# Altium PCB Kasli-DIOT.PCBDOC (part 13 of 21) (continued)
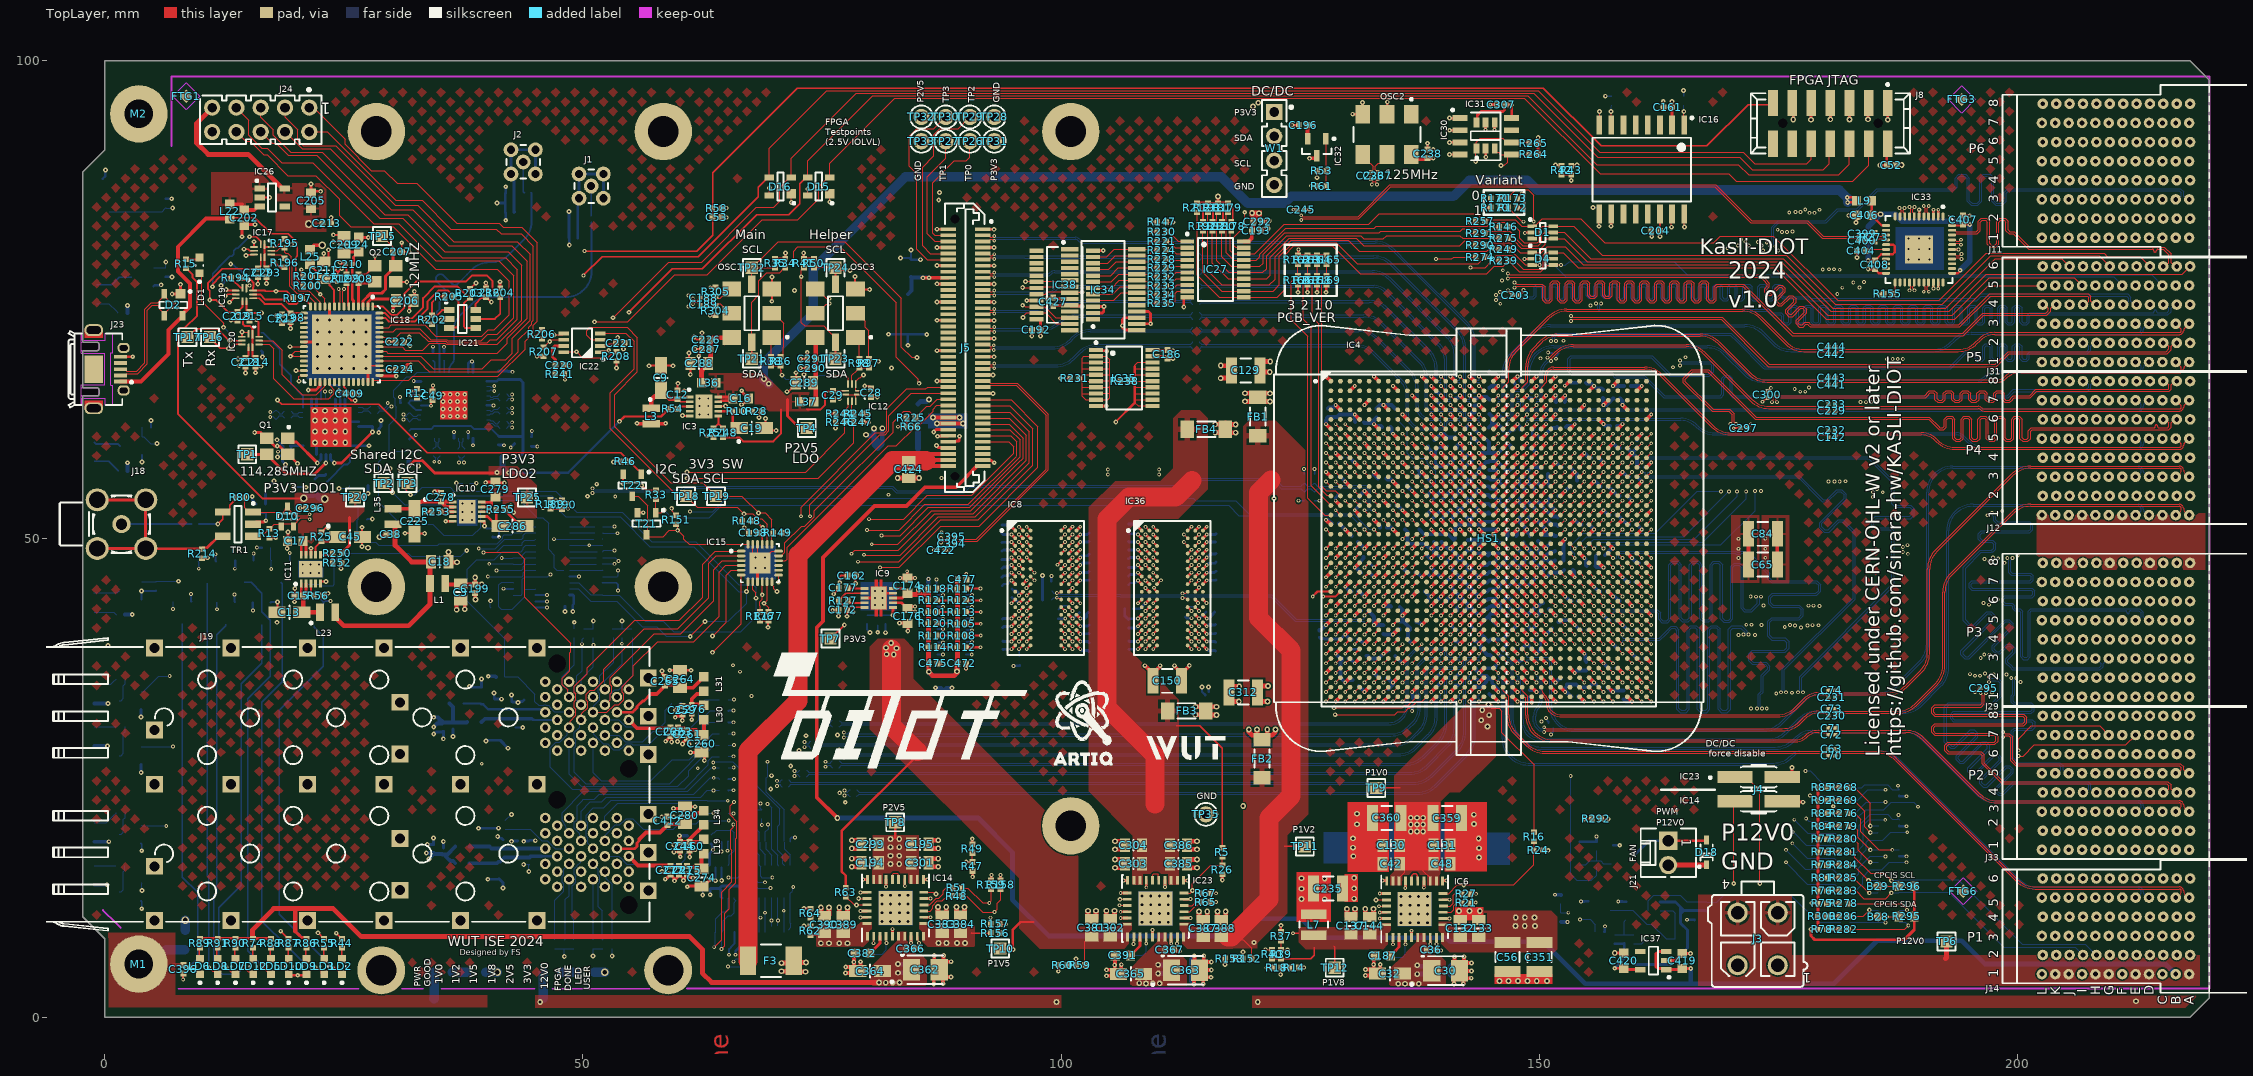
[diagram p0: TopLayer view]
## Nets (pads, with @x,y where several pads share a name; then routed paths per layer and width w, separated by ;. In a path a pad name is that pad's centre, name@x,y a point inside that pad or via, vN(x,y) a via of type N, cw(c..) or ccw(c..) an arc to the next point about the centre after c; other vN are vias at no path point) (continued)
  TopLayer w0.095: v1(140.7,35) IC4.AM14@141.2,35.5
  BottomLayer w0.095: C257.2@76.765,26.096 76.79,26.096 77.023,26.329 135.998,26.329 ccw(c135.998,29.087) 137.949,27.137 139.517,28.705 ccw(c137.565,30.657) 139.519,28.707 ccw(c137.565,30.657) 140.325,30.657 140.325,35.275 140.44,35.389 140.644,35.389 140.7,35.333 v1(140.7,35)
SFP.TX2_P: C256.2 IC4.AL14 | length 72
  TopLayer w0.095: v1(140.7,36) IC4.AL14@141.2,36.5
  BottomLayer w0.095: C256.2@76.79,26.796 77.035,26.551 135.998,26.551 ccw(c135.998,29.088) 137.792,27.294 139.36,28.861 ccw(c137.563,30.657) 139.361,28.863 ccw(c137.563,30.657) 140.103,30.657 140.103,35.367 140.348,35.611 140.644,35.611 140.7,35.667 v1(140.7,36)
SFP.TX3_N: C283.2 IC4.AP13 | length 66.3
  TopLayer w0.095: v1(139.7,33) IC4.AP13@140.2,33.5
  BottomLayer w0.095: C283.2@78.625,27.05 78.65,27.05 78.908,27.308 79.3,27.308 134.767,27.308 135.243,27.308 ccw(c135.243,30.068) 137.195,28.116 138.511,29.432 ccw(c136.56,31.383) 139.319,31.383 139.319,33.319 139.389,33.389 139.644,33.389 139.7,33.333 v1(139.7,33)
SFP.TX3_P: C282.2 IC4.AN13 | length 66.3
  TopLayer w0.095: v1(139.7,34) IC4.AN13@140.2,34.5
  BottomLayer w0.095: C282.2@78.625,27.75 78.65,27.75 78.87,27.53 79.3,27.53 134.675,27.53 135.243,27.53 ccw(c135.243,30.07) 137.039,28.274 138.353,29.588 ccw(c136.557,31.384) 138.355,29.59 ccw(c136.557,31.384) 139.097,31.384 139.097,33.411 139.297,33.611 139.644,33.611 139.7,33.667 v1(139.7,34)
SFP_0.LED: IC25.27 IC29.10 T11.1 | length 49.4
  layer 8 w0.1: v1(6.79,35.67) 22.47,35.67 27.384,40.584 32.713,40.584 35.604,43.475 35.604,45.504 v1(39.1,49)
  BottomLayer w0.1: T11.1@3.8,34.05 4,34.05 5.62,35.67 v1(6.79,35.67)
  BottomLayer w0.125: v1(39.1,49) 40.831,49 41.806,49.975 IC29.10@42.697,49.975 43.6,49.975 43.775,50.15 43.775,50.4 44,50.625 IC25.27@45.047,50.625
SFP_0.LOS: IC25.26 IC29.9 J19.LB8 R138.1 | length 34.8
  TopLayer w0.125: v1(39.6,48.6) 43.2,48.6 43.9,47.9 43.9,43.9 48.7,39.1 48.7,38.2 48.6,38.1 48.6,36.2 47.837,35.438 47.837,34.78 48.405,34.213 48.405,33.62 J19.LB8@48.55,33.475
  BottomLayer w0.125: v1(39.6,48.6) 41,48.6 41.725,49.325 IC29.9@42.697,49.325 43.577,49.325 43.65,49.398 43.65,49.6 43.898,49.848 44.92,49.848 IC25.26@45.047,49.975 ; J19.LB8@48.55,33.47 48.455,33.565 48.455,34.158 47.838,34.775 47.838,35.588 49.086,36.836 R138.1@49.086,39.675
SFP_0.MOD_PRESENT: IC25.25 IC29.8 J19.LB6 R137.1 | length 29.9
  BottomLayer w0.125: IC25.25@45.047,49.325 44,49.325 43.775,49.1 43.775,48.922 43.536,48.683 42.705,48.683 IC29.8@42.697,48.675 41.575,48.675 40.73,47.83 38.88,47.83 37.9,46.85 37.9,43.495 41.84,39.555 R137.1@41.84,35.57 43.18,35.57 44.975,33.775 44.975,33 45.375,32.6 45.893,32.6 ccw(c45.892,32.725) 45.914,32.602 cw(c46.05,31.875) 46.186,32.602 ccw(c46.208,32.725) 46.206,32.6 46.4,32.6 46.588,32.413 46.588,32.375 47.005,31.958 48.463,31.958 J19.LB6@48.55,31.87
SFP_0.RATE_SELECT: IC25.24 IC29.7 J19.LB7 R213.2 | length 25
  Layer 5 w0.125: v1(41.5,48) 43,48 47.1,43.9 47.1,42.2 49.9,39.4 v1(49.9,39)
  BottomLayer w0.125: v1(41.5,48) 42.672,48 IC29.7@42.697,48.025 43.575,48.025 43.7,48.15 43.7,48.375 44.008,48.683 45.039,48.683 IC25.24@45.047,48.675 ; J19.LB7@49.8,32.67 49.263,33.208 49.263,33.8 49.088,33.975 49.088,34.6 49.35,34.862 49.35,35.675 49.9,36.225 v1(49.9,39) 49.9,39.489 R213.2@50.086,39.675
SFP_0.RATE_SELECT1: IC25.23 IC29.6 J19.LB9 R130.2 | length 28.3
  Layer 5 w0.125: v1(40.2,47.4) 40.2,48.2 40.5,48.5 43.7,48.5 50.1,42.1 50.1,40.7 51.086,39.714 v1(51.086,38.9)
  BottomLayer w0.125: v1(40.2,47.4) 42.672,47.4 IC29.6@42.697,47.375 43.625,47.375 43.8,47.55 43.8,47.825 44,48.025 IC25.23@45.047,48.025 ; J19.LB9@49.8,34.27 49.8,35.35 51.086,36.636 v1(51.086,38.9) R130.2@51.086,39.675
SFP_0.SCL: IC15.2 J19.LB5 R184.1 | length 52.3
  TopLayer w0.125: J19.LB5@49.8,31.07 49.895,31.165 49.895,31.758 50.513,32.375 50.513,32.983 50.338,33.158 50.338,33.461 50.337,33.77 50.755,34.188 51.175,34.188 52.175,35.187 52.175,36.375 56.4,40.6 59.907,40.6 63.175,43.868 63.175,47.475 63.929,48.229 IC15.2@66.55,48.229
  BottomLayer w0.125: J19.LB5@49.8,31.075 49.641,30.916 49.641,30.337 49.087,29.784 49.087,29.145 49.262,28.97 49.262,28.345 49.087,28.17 49.087,25.613 50.3,24.4 59.057,24.4 63.281,28.623 63.281,29.331 63.592,29.642 R184.1@64.275,29.642
SFP_0.SDA: IC15.1 J19.LB4 R183.1 | length 56.5
  TopLayer w0.125: J19.LB4@48.55,30.27 48.645,30.365 48.645,30.958 49.263,31.575 49.263,32.2 49.088,32.375 49.088,32.6 49.087,33.005 49.262,33.18 49.262,33.8 ; 49.088,33.943 49.088,33.945 ; 49.088,34.27 49.088,33.945 ; 49.104,33.959 49.262,33.8 ; 49.175,33.858 49.088,33.945 ; 49.262,33.807 49.262,33.8 ; IC15.1@66.55,48.729 63.854,48.729 62.5,47.375 62.5,43.92 60.08,41.5 55.413,41.5 50.422,36.51 50.422,35.927 49.087,34.593 49.087,33.945
  BottomLayer w0.125: J19.LB4@48.55,30.275 48.37,30.095 48.37,29.537 47.595,28.763 47.18,28.763 46.588,28.17 46.588,26.137 48.875,23.85 49.978,23.85 50.003,23.875 60.625,23.875 63.117,26.367 63.117,26.817 63.506,27.206 R183.1@64.275,27.206
SFP_0.TX_DISABLE: IC25.22 IC29.5 J19.LB3 | length 26.8
  Layer 3 w0.125: v1(40.976,46.708) 42.8,44.884 42.8,35.9 44.7,34 44.7,32.1 45.812,30.988 46.345,30.988 46.97,30.362 47.42,30.362 48.308,29.475 J19.LB3@49.8,29.475
  BottomLayer w0.125: v1(40.976,46.708) 42.679,46.708 IC29.5@42.697,46.725 43.625,46.725 43.775,46.875 43.775,47.1 44.008,47.333 45.004,47.333 IC25.22@45.047,47.375
SFP_0.TX_FAULT: IC25.21 IC29.4 J19.LB2 R134.1 | length 49.1
  Layer 3 w0.125: v1(40.05,46.075) 40,46.025 40,44.436 42,42.436 42,35.7 43.9,33.8 43.9,31.417 45.755,29.563 46.17,29.563 47.058,28.675 J19.LB2@48.55,28.675
  BottomLayer w0.125: v1(40.05,46.075) 43.65,46.075 43.775,46.2 43.775,46.475 44.008,46.708 45.029,46.708 IC25.21@45.046,46.724 ; J19.LB2@48.55,28.67 48.55,25.4 49.825,24.125 59.925,24.125 61.05,25.25 61.05,25.789 63.715,28.454 R134.1@64.275,28.454
SFP_1.LED: IC25.7 IC29.19 T16.1 | length 63.5
  layer 8 w0.1: v1(7.15,28.3) 21.2,28.3 28.57,35.67 37.87,35.67 41.675,39.475 41.675,42.887 43.413,44.625 47.507,44.625 50.282,47.4 v1(53.3,47.4)
  BottomLayer w0.1: T16.1@3.8,28.3 v1(7.15,28.3) ; IC29.19@48.597,47.375 IC25.7@51.392,47.375 ; IC25.7@52.047,47.375 52.072,47.4 v1(53.3,47.4)
SFP_1.LOS: IC25.6 IC29.18 J19.LT8 R135.1 | length 39.7
  Layer 3 w0.1: J19.LT8@52.3,29.475 52.46,29.635 52.46,30.175 53.26,30.975 53.64,30.975 54.25,31.585 54.25,32.235 54.1,32.385 54.1,33.035 54.25,33.185 54.25,33.8 54.1,33.95 54.1,34.582 54.25,34.732 54.25,38.65 54.6,39 54.6,46.4 53.7,47.3 v1(53.7,47.7)
  BottomLayer w0.1: IC25.6@52.047,48.025 53.375,48.025 v1(53.7,47.7) ; J19.LT8@52.406,29.369 J19.LT8@52.3,29.475 53.74,29.475 54.44,28.775 56.25,28.775 57.375,29.9 60.9,29.9 62.1,31.1 62.1,32.525 62.781,33.206 R135.1@64.275,33.206
  BottomLayer w0.125: IC29.18@48.597,48.025 IC25.6@51.41,48.025
SFP_1.MOD_PRESENT: IC25.5 IC29.17 J19.LT6 R136.1 | length 32.2
  Layer 3 w0.125: J19.LT6@52.3,31.075 52.445,31.22 52.445,31.812 53.013,32.38 53.013,32.988 52.837,33.163 52.837,33.796 53.013,33.971 53.013,34.605 52.837,34.78 52.837,45.163 52.4,45.6 52.4,48.3 52.9,48.8 v1(53.3,48.8)
  BottomLayer w0.125: IC29.17@48.597,48.675 IC25.5@51.471,48.675 ; IC25.5@52.047,48.675 52.172,48.8 v1(53.3,48.8) ; J19.LT6@52.3,31.07 52.305,31.075 53.758,31.075 54.475,30.358 58.107,30.358 58.6,30.85 58.6,32.095 59.285,32.78 R136.1@59.285,32.8
SFP_1.RATE_SELECT: IC25.4 IC29.16 J19.LT7 R140.2 | length 40.1
  Layer 3 w0.1: v1(50.657,49.345) 50.35,49.038 50.35,34.785 50.5,34.635 50.5,33.941 50.35,33.791 50.35,33.168 50.5,33.018 50.5,32.35 50.35,32.2 50.35,31.585 50.96,30.975 50.96,30.365 J19.LT7@51.05,30.275
  BottomLayer w0.1: IC29.16@48.597,49.325 48.617,49.345 52.026,49.345 IC25.4@52.047,49.325 ; J19.LT7@51.05,30.275 51.145,30.18 51.145,29.575 52.145,28.575 52.59,28.575 53.19,27.975 53.84,27.975 53.97,28.105 54.041,28.105 54.51,28.575 55.09,28.575 55.165,28.5 56.9,28.5 57.875,29.475 61.9,29.475 62.475,30.05 62.475,31.2 63.293,32.018 R140.2@64.275,32.018
SFP_1.RATE_SELECT1: IC25.3 IC29.15 J19.LT9 R141.2 | length 51.5
  Layer 3 w0.125: v1(46.972,49.975) 46.919,49.923 46.623,49.923 43.6,46.9 43.6,36.4 45.2,34.8 45.2,33.317 45.93,32.588 46.345,32.588 46.97,31.963 47.42,31.963 48.22,31.163 48.67,31.163 49.47,30.362 49.92,30.362 50.87,29.413 50.87,28.855 J19.LT9@51.05,28.675
  BottomLayer w0.125: v1(46.972,49.975) IC29.15@48.596,49.975 ; IC29.15@48.597,49.975 IC25.3@51.139,49.975 ; J19.LT9@51.05,28.67 51.05,25.55 51.9,24.7 57.1,24.7 59.34,26.94 61.098,26.94 62.85,28.692 62.85,30.486 63.193,30.83 R141.2@64.275,30.83 ; IC25.3@52.047,49.975 IC25.3@52.072,50
SFP_1.SCL: IC15.4 J19.LT5 R186.1 | length 35
  TopLayer w0.125: J19.LT5@51.05,31.87 52.508,31.87 53.308,32.67 53.758,32.67 54.263,33.175 54.263,33.8 54.088,33.975 54.088,34.375 54.087,34.57 54.901,35.383 54.906,35.383 55.275,35.753 55.275,36.725 57.825,39.275 61.6,39.275 64.225,41.9 64.225,46.525 64.929,47.229 IC15.4@66.55,47.229
  BottomLayer w0.125: J19.LT5@51.05,31.87 51.145,31.965 51.145,32.558 51.763,33.175 51.763,33.8 51.588,33.975 51.588,34.6 51.763,34.775 51.763,35.688 53.2,37.125 R186.1@53.2,39.675
SFP_1.SDA: IC15.3 J19.LT4 R185.1 | length 32.3
  TopLayer w0.125: J19.LT4@52.3,32.67 J19.LT4@52.302,32.673 ; J19.LT4@52.3,32.675 52.837,33.212 52.837,33.509 52.837,33.805 53.013,33.98 53.013,34.605 52.837,34.78 52.837,35.487 57.433,40.083 60.205,40.083 63.65,43.528 63.65,46.8 64.57,47.72 IC15.3@66.542,47.72
  BottomLayer w0.125: J19.LT4@52.3,32.67 J19.LT4@52.302,32.673 ; J19.LT4@52.3,32.675 52.837,33.212 52.837,33.77 53.318,34.251 53.738,34.251 55.2,35.712 R185.1@55.2,39.675
SFP_1.TX_DISABLE: IC25.2 IC29.14 J19.LT3 | length 22.8
  Layer 3 w0.125: J19.LT3@51.05,33.475 51.195,33.62 51.195,34.213 51.762,34.78 51.762,49.563 52.8,50.6 v1(53.6,50.6)
  BottomLayer w0.125: IC29.14@48.597,50.625 IC25.2@51.217,50.625 ; IC25.2@52.047,50.625 52.072,50.6 v1(53.6,50.6)
SFP_1.TX_FAULT: IC25.1 IC29.13 J19.LT2 R133.1 | length 23.6
  Layer 5 w0.125: v1(53.3,51.3) 54.1,51.3 54.7,50.7 54.7,39.679 v1(54.061,39.039)
  BottomLayer w0.125: IC29.13@48.597,51.275 IC25.1@51.235,51.275 ; IC25.1@52.047,51.275 52.072,51.3 v1(53.3,51.3) ; J19.LT2@52.3,34.27 52.3,35.175 54.084,36.959 R133.1@54.084,39.674
SFP_2.A_RATE_SELECT: IC24.24 IC28.7 R82.1 | length 5.3
  BottomLayer w0.125: R82.1@67.625,20.74 67.625,20.129 68.425,19.329 IC28.7@68.425,18.375 ; IC28.7@68.514,18.286 68.514,17.536 69.075,16.975 IC24.24@69.075,15.9
SFP_2.LED: IC24.27 IC28.10 T17.1 | length 79.6
  Layer 5 w0.1: v1(39.416,26.5) 50.9,26.5 53.045,24.355 60.33,24.355 v1(62,26.025)
  layer 8 w0.1: v1(6.427,20) 28.4,20 34.9,26.5 v1(39.416,26.5) ; v1(62,26.025) 63.002,26.025 v1(63.62,26.643)
  BottomLayer w0.1: T17.1@3.8,20.05 3.85,20 v1(6.427,20)
  BottomLayer w0.125: v1(63.62,26.643) 63.686,26.709 65.668,26.709 67.606,24.772 67.606,24.769 70.563,21.812 70.563,20.163 70.375,19.975 IC28.10@70.375,18.375 70.375,17.45 70.909,16.916 70.909,16.016 IC24.27@71.025,15.9
SFP_2.LOS: IC24.26 IC28.9 J19.RB8 R145.1 | length 34.8
  Layer 5 w0.125: v1(63.705,26.078) 65.222,26.078 66.1,25.2 66.413,25.2 69.3,22.313 v1(69.3,22.3)
  BottomLayer w0.125: J19.RB8@48.55,19.225 cw(c48.652,19.297) 48.528,19.289 ccw(c48.111,19.268) 48.32,19.629 cw(c48.384,19.736) 48.261,19.716 ccw(c46.756,19.456) 48.188,19.986 ccw(c46.756,19.456) 48.034,20.292 ccw(c47.929,20.223) 48.019,20.31 cw(c48.55,20.825) 47.913,20.449 ccw(c47.806,20.385) 47.899,20.468 ccw(c46.756,19.456) 47.811,20.56 47.811,20.61 47.811,20.791 ccw(c47.686,20.791) 47.811,20.795 cw(c48.55,20.825) 47.811,20.855 ccw(c47.686,20.859) 47.811,20.859 47.811,21.365 50.046,23.6 60.95,23.6 63.428,26.078 v1(63.705,26.078) R145.1@64.275,26.078 ; v1(69.3,22.3) 69.725,21.875 IC28.9@69.725,18.375 ; IC28.9@69.764,18.336 69.764,17.536 70.361,16.939 70.361,15.914 IC24.26@70.375,15.9 ; IC24.26@70.353,15.878 IC24.26@70.414,15.817
SFP_2.MOD_PRESENT: IC24.25 IC28.8 J19.RB6 R174.1 | length 58
  Layer 5 w0.125: J19.RB6@48.55,17.625 48.405,17.48 48.405,16.887 47.837,16.32 47.837,15.713 48.012,15.538 48.012,14.93 47.837,14.755 47.837,14.095 48.069,13.864 48.069,10.831 51.175,7.725 70.825,7.725 71.725,8.625 71.725,12.075 70.275,13.525 70.275,20.153 70.073,20.355 69.897,20.355 69.731,20.189 69.407,20.189 v1(69.354,20.136)
  BottomLayer w0.125: R174.1@41.9,19.63 41.912,19.642 44.492,19.642 45.685,18.449 46.269,18.449 46.305,18.412 46.525,18.192 46.529,18.189 cw(c46.05,17.625) 46.614,18.104 46.645,18.073 46.656,18.061 ccw(c47.3,18.425) 46.936,17.781 46.948,17.77 47.092,17.625 48.38,17.625 48.463,17.708 J19.RB6@48.55,17.62 ; IC28.8@69.075,18.375 69.075,19.375 69.4,19.7 69.4,20.091 v1(69.354,20.136) ; IC28.8@69.139,18.311 69.139,17.536 69.725,16.95 IC24.25@69.725,15.9
SFP_2.RATE_SELECT: J19.RB7 R82.2 R175.2 R193.2 | length 28.1
  Layer 5 w0.125: v1(63.672,25.026) 65.698,23 67.9,23 v1(68.55,22.35)
  BottomLayer w0.125: J19.RB7@49.8,18.425 49.655,18.57 49.655,19.163 49.087,19.73 49.087,20.355 49.4,20.667 49.4,22.13 49.903,22.632 49.903,22.652 50.016,22.766 51.166,22.766 51.7,23.3 61.575,23.3 63.301,25.026 v1(63.672,25.026) 64.139,25.026 R193.2@64.275,24.89 ; R82.2@67.625,21.68 R175.2@68.699,21.68 68.55,21.828 v1(68.55,22.35)
SFP_2.RATE_SELECT1: IC24.23 IC28.6 J19.RB9 R215.2 | length 33.7
  Layer 5 w0.125: v1(63.638,23.716) 64.7,22.654 64.7,20.3 69.8,15.2 v1(69.8,14.6)
  BottomLayer w0.125: J19.RB9@49.8,20.02 49.8,21.53 50.77,22.5 51.95,22.5 52.45,23 62.3,23 63.016,23.716 v1(63.638,23.716) 64.261,23.716 R215.2@64.275,23.702 ; IC28.6@67.839,18.311 67.839,17.536 68.425,16.95 IC24.23@68.425,15.9 68.588,15.738 68.588,14.712 68.7,14.6 v1(69.8,14.6)
SFP_2.SCL: IC15.6 J19.RB5 R188.1 | length 48.6
  TopLayer w0.125: v5(63.55,38.15) 66.55,41.15 IC15.6@66.55,46.229 IC15.6@66.269,46.229
  Layer 3 w0.125: J19.RB5@49.8,16.825 49.945,16.97 49.945,17.563 50.512,18.13 50.512,18.738 50.337,18.913 50.337,19.52 50.93,20.112 51.38,20.112 54.63,23.362 58.53,23.362 62.475,27.308 62.475,37.075 v5(63.55,38.15)
  BottomLayer w0.125: R188.1@49.052,8.075 49.052,10.198 48.9,10.35 48.9,13.733 49.08,13.913 49.08,13.947 49.262,14.13 49.262,14.755 49.087,14.93 49.087,15.52 49.422,15.854 49.422,15.872 49.756,16.206 49.756,16.776 J19.RB5@49.8,16.82
SFP_2.SDA: IC15.5 J19.RB4 R187.1 | length 51.1
  TopLayer w0.125: v5(63.55,39.85) 64.975,41.275 64.975,46.225 65.479,46.729 IC15.5@66.55,46.729
  Layer 3 w0.125: J19.RB4@48.55,16.02 49.088,16.558 49.088,16.836 49.087,17.155 49.262,17.33 49.262,17.938 49.087,18.113 49.087,18.746 49.262,18.921 49.262,19.533 49.087,19.708 49.087,20.32 52.793,24.026 56.83,24.026 57.804,25 59.375,25 61.9,27.525 61.9,38.2 v5(63.55,39.85)
  BottomLayer w0.125: R187.1@47.052,8.075 47.052,12.222 48.013,13.183 48.013,13.955 47.837,14.13 47.837,14.72 48.012,14.895 48.012,15.488 48.545,16.02 J19.RB4@48.55,16.02
SFP_2.TX_DISABLE: IC24.22 IC28.5 J19.RB3 | length 37.8
  Layer 5 w0.125: J19.RB3@49.8,15.225 49.655,15.08 49.655,14.487 49.087,13.92 49.087,11.964 52.452,8.6 69.9,8.6 70.9,9.6 70.9,10.417 69.042,12.274 v1(69.042,14.1)
  BottomLayer w0.125: IC28.5@67.258,18.242 67.258,17.542 67.775,17.025 IC24.22@67.775,15.9 67.775,14.625 68.3,14.1 v1(69.042,14.1)
SFP_2.TX_FAULT: IC24.21 IC28.4 J19.RB2 R144.1 | length 45.6
  Layer 5 w0.125: J19.RB2@48.55,14.425 48.55,11.602 52.052,8.1 70.107,8.1 71.4,9.393 71.4,11.7 v1(69.6,13.5)
  BottomLayer w0.125: R144.1@48.052,8.075 48.147,8.171 48.147,12.317 48.55,12.72 J19.RB2@48.55,14.42 ; IC28.4@66.489,18.361 66.489,17.536 67.086,16.939 67.086,16.289 IC24.21@67.125,16.25 ; IC24.21@67.125,15.9 67.125,14.675 68.3,13.5 v1(69.6,13.5)
SFP_3.LED: IC24.7 IC28.19 T18.1 | length 76
  layer 8 w0.125: v2(3.894,13.243) 4.574,12.562 10.857,12.562 11.119,12.3 28.9,12.3 29.9,11.3 32.094,11.3 36.297,7.097 46.155,7.097 48,5.252 53.922,5.252 56.395,7.725 62.741,7.725 v1(65.175,5.291)
  BottomLayer w0.125: T18.1@3.8,14.05 3.894,13.956 v2(3.894,13.243) ; v1(65.175,5.291) 66.644,5.291 67.775,6.422 IC24.7@67.775,8.9 IC28.19@67.775,11.891
SFP_3.LOS: IC24.6 IC28.18 J19.RT8 R218.1 | length 31.5
  Layer 5 w0.125: J19.RT8@52.3,15.225 52.445,15.08 52.445,14.487 53.013,13.92 53.013,11.287 54.3,10 68.112,10 68.512,10.4 v1(68.55,10.4)
  BottomLayer w0.125: J19.RT8@52.3,15.225 52.445,15.08 52.445,14.487 53.052,13.881 R218.1@53.052,8.075 ; IC24.6@68.425,8.9 IC28.18@68.425,12.475
SFP_3.MOD_PRESENT: IC24.5 IC28.17 J19.RT6 R219.1 | length 34.9
  Layer 3 w0.125: J19.RT6@52.3,16.825 53.792,16.825 54.642,15.975 55.794,15.975 55.969,15.8 65.875,15.8 67.152,14.524 67.152,11.782 68.017,10.917 v1(69.042,10.917)
  BottomLayer w0.125: J19.RT6@52.3,16.825 53.758,16.825 53.914,16.669 cw(c53.55,16.025) 54.194,16.389 54.233,16.35 54.236,16.346 ccw(c54.8,16.825) 54.321,16.261 54.325,16.258 54.544,16.039 54.581,16.002 60.163,16.002 60.669,16.508 60.669,17.038 60.9,17.269 R219.1@60.9,18.026 ; IC24.5@69.075,8.9 69.075,10.125 IC28.17@69.075,12.475
SFP_3.RATE_SELECT: IC24.4 IC28.16 J19.RT7 R222.2 | length 35.3
  Layer 5 w0.125: J19.RT7@51.05,16.025 51.587,15.488 51.587,14.895 51.762,14.72 51.762,14.095 51.587,13.92 51.587,11.813 53.8,9.6 69.2,9.6 v1(69.7,10.1)
  BottomLayer w0.125: J19.RT7@51.05,16.02 51.072,15.998 51.077,15.998 51.587,15.488 51.587,14.905 51.763,14.73 51.763,14.108 51.587,13.933 51.587,11.563 52,11.15 52,8.127 R222.2@52.052,8.075 ; IC24.4@69.725,9.485 IC28.16@69.725,12.475
SFP_3.RATE_SELECT1: IC24.3 IC28.15 J19.RT9 R223.2 | length 33.4
  Layer 5 w0.125: J19.RT9@51.05,14.425 51.05,10.75 52.7,9.1 69.4,9.1 v1(70.4,10.1)
  BottomLayer w0.125: J19.RT9@51.05,14.42 51.05,8.077 R223.2@51.052,8.075 ; IC24.3@70.375,9.571 IC28.15@70.375,12.475
SFP_3.SCL: IC15.11 J19.RT5 R177.1 | length 46.6
  TopLayer w0.125: IC15.11@69.25,45.529 69.25,43.604 v2(68.921,43.275) 69.4,42.796 R177.1@69.4,42.387
  Layer 3 w0.125: v1(65.138,22.632) 65.77,22 66.2,22 68.55,24.35 68.55,26.904 68.921,27.275 v2(68.921,43.275)
  BottomLayer w0.125: J19.RT5@51.05,17.62 51.028,17.642 51.028,17.647 50.512,18.163 50.512,18.755 50.337,18.93 50.337,19.538 50.512,19.713 50.512,20.329 50.337,20.504 50.337,21.12 51.095,21.878 52.152,21.878 52.975,22.7 62.95,22.7 63.017,22.632 v1(65.138,22.632)
SFP_3.SDA: IC15.10 J19.RT4 R176.1 | length 44.9
  TopLayer w0.125: R176.1@68.514,42.387 68.514,43.027 68.509,43.033 68.509,43.446 68.747,43.685 v2(68.747,44.158) v2(68.747,44.158) 68.749,45.525 IC15.10@68.747,45.526
  Layer 3 w0.125: v1(65.244,20.556) 66.256,20.556 68.049,22.349 68.049,23.198 69.042,24.192 69.042,25.345 69.8,26.103 69.8,43.105 v2(68.747,44.158)
  BottomLayer w0.125: J19.RT4@52.3,18.42 52.322,18.442 52.322,19.034 53.395,20.108 53.845,20.108 54.35,20.613 54.38,20.613 54.505,20.738 55.212,20.738 56.321,19.629 59.434,19.629 60.044,20.239 61.854,20.239 62.171,20.556 v1(65.244,20.556)
SFP_3.TX_DISABLE: IC24.2 IC28.14 J19.RT3 | length 29.4
  Layer 3 w0.125: J19.RT3@51.05,19.225 52.508,19.225 53.22,18.513 53.88,18.513 54.577,19.21 57.306,19.21 57.804,19.708 64.011,19.708 68.017,15.702 68.017,13.117 70.005,11.129 v1(70.991,11.129)
  BottomLayer w0.125: IC24.2@71.025,8.9 IC28.14@71.025,12.475
SFP_3.TX_FAULT: IC24.1 IC28.13 J19.RT2 R217.1 | length 30.6
  Layer 3 w0.125: v1(63.625,21.33) 63.677,21.277 63.677,20.823 67.664,16.836 69.014,16.836 70.472,15.378 70.472,15.106 v1(71.983,13.595)
  BottomLayer w0.125: J19.RT2@52.3,20.02 52.3,21.03 53.62,22.35 60.225,22.35 61.249,21.326 63.621,21.326 v1(63.625,21.33) 64.271,21.33 R217.1@64.275,21.326 ; IC24.1@71.513,9.166 71.723,9.376 71.723,9.759 71.675,9.808 71.675,12.975 71.837,13.137 71.883,13.137 71.956,13.211 71.956,13.569 v1(71.983,13.595)
SHARED_BUS_0: IC4.AP4 R76.1 R283.1 | length 62.4
  TopLayer w0.127: v1(130.7,33) IC4.AP4@131.2,33.5 ; R76.1@180.065,13.236 v2(180.72,13.236) R283.1@181.375,13.236
  Layer 5 w0.127: v1(130.7,33) 130.7,32.998 131.1,32.598 131.1,30.5 131.1,28.819 135.313,24.606 143.188,24.606 146.635,21.159 172.797,21.159 v2(180.72,13.236)
SHARED_BUS_1: IC4.AN7 R77.1 R280.1 | length 59
  TopLayer w0.127: v1(133.7,34) IC4.AN7@134.2,34.5 ; R77.1@180.065,18.629 v2(180.72,18.629) R280.1@181.375,18.629
  Layer 5 w0.127: v1(133.7,34) 133.175,33.475 133.175,29.16 136.021,26.314 143.896,26.314 147.343,22.867 176.482,22.867 v2(180.72,18.629)
SHARED_BUS_2: IC4.AN3 R78.1 R282.1 | length 67
  TopLayer w0.127: v1(129.7,34) IC4.AN3@130.2,34.5 ; R78.1@180.065,9.191 v2(180.72,9.191) R282.1@181.375,9.191
  Layer 5 w0.127: v1(129.7,34) 129.7,33.552 129.2,33.052 129.2,28.907 134.782,23.325 142.657,23.325 146.104,19.878 169.822,19.878 180.438,9.262 180.649,9.262 v2(180.72,9.191)
SHARED_BUS_3: IC4.AN6 R79.1 R284.1 | length 61.2
  TopLayer w0.127: v1(132.7,34) IC4.AN6@133.2,34.5 ; R79.1@180.065,15.933 v2(180.72,15.933) R284.1@181.375,15.933
  Layer 5 w0.127: v1(132.7,34) 132.175,33.475 132.175,28.952 135.667,25.46 143.542,25.46 146.989,22.013 174.64,22.013 v2(180.72,15.933)
SHARED_BUS_4: IC4.AP5 R81.1 R285.1 | length 61.1
  TopLayer w0.127: v1(131.7,33) IC4.AP5@132.2,33.5 ; R81.1@180.065,14.584 v2(180.72,14.584) R285.1@181.375,14.584
  Layer 5 w0.127: v1(131.7,33) 131.7,28.823 135.49,25.033 143.365,25.033 146.812,21.586 173.718,21.586 v2(180.72,14.584)
SHARED_SCL: IC15.8 IC24.12 IC25.12 IC28.22 IC29.22 IC34.12 IC38.22 R190.1 R237.1 TP3.1 | length 193.9
  TopLayer w0.125: TP3.1@31.6,55.7 31.5,55.6 31.5,55.1 v2(31.975,54.625) ; R190.1@47.825,54.07 48.052,53.843 48.258,53.843 48.326,53.775 v1(48.4,53.775) ; v1(64.501,7.141) 64.501,7.18 64.8,7.479 64.8,10.88 65.275,11.355 65.275,13.4 65.95,14.075 65.95,18.65 66.084,18.784 66.084,20.454 65.387,21.15 65.387,22.087 v1(65.8,22.5) ; IC15.8@67.75,45.529 67.75,44.7 68.063,44.388 68.063,43.854 v5(68.105,43.812) ; v2(95.973,74.436) 96.075,74.436 96.225,74.286 IC38.22@97.436,74.286 98.307,74.286 99.457,73.136 IC34.12@100.886,73.136
  Layer 3 w0.125: v1(65.8,22.5) 68.125,24.825 68.125,43.791 v5(68.105,43.812)
  layer 8 w0.125: v5(68.105,43.812) 68.105,44.907 64.9,48.111 64.9,56.707 72.559,64.366 75.677,64.366 77.35,66.039 77.35,78.85 79.68,81.18 89.38,81.18 91.65,83.45 93.865,83.45 94.285,83.03 94.285,75.525 95.374,74.436 v2(95.973,74.436)
  BottomLayer w0.125: R237.1@30.9,55.65 31.925,54.625 v2(31.975,54.625) 32.425,54.625 33.2,55.4 36.1,55.4 36.5,55 47.175,55 v1(48.4,53.775) 49.375,52.8 54.107,52.8 57.207,49.7 61.807,49.7 66.307,45.2 67.8,45.2 68.125,44.875 68.125,43.832 v5(68.105,43.812) 68.125,43.791 68.125,41.925 66.519,40.319 59.481,40.319 58.389,41.411 56.489,41.411 53.775,44.125 IC25.12@52.047,44.125 51.997,44.175 50.823,44.175 49.573,45.425 IC29.22@48.597,45.425 ; v1@64.51,7.149 64.51,7.212 64.52,7.222 64.52,8.895 IC24.12@64.525,8.9 64.688,9.062 64.688,10.088 65.2,10.6 65.5,10.6 65.8,10.9 65.8,11.983 65.998,12.181 65.988,12.181 65.825,12.343 IC28.22@65.825,12.475
SHARED_SDA: IC15.7 IC24.13 IC25.13 IC28.23 IC29.23 IC34.13 IC38.23 R189.1 R236.1 TP2.1 | length 197.3
  TopLayer w0.125: TP2.1@29.35,55.675 29.35,55.65 30.1,54.9 v2(30.1,54.85) ; R189.1@46.6,54.095 46.645,54.05 v1(47.175,54.05) ; v2(61.215,39.81) 61.215,39.816 62.773,41.374 v2(62.773,41.38) ; v1(63.722,7.318) 64.5,8.096 64.5,13.078 65.563,14.14 65.563,17.45 65.431,17.582 65.431,19.606 65.7,19.875 65.7,20.132 v1(65.721,20.153) ; v5(67.1,44.5) 67.1,44.601 67.25,44.751 IC15.7@67.25,45.529 ; v2(96,73.167) 96,73.23 96.405,73.636 IC38.23@97.436,73.636 98.361,73.636 99.511,72.486 IC34.13@100.886,72.486
  Layer 3 w0.125: v1(65.721,20.153) 64.947,20.153 64.3,20.8 64.3,23 65.5,24.2 66.2,24.2 67.1,25.1 v5(67.1,44.5)
  layer 8 w0.125: v5(67.1,44.5) 64.15,47.45 64.15,56.862 72.288,65 75.382,65 76.834,66.451 76.834,79.239 79.415,81.82 89.115,81.82 91.385,84.09 94.13,84.09 94.925,83.295 94.925,76.239 95.619,75.545 96.775,75.545 97.039,75.281 97.039,74.206 v2(96,73.167)
  BottomLayer w0.125: R236.1@29.85,55.68 29.87,55.68 30.097,55.453 v2@30.097,54.85 ; v2(30.1,54.85) 31.35,53.6 35.5,53.6 36.4,54.5 46.725,54.5 v1(47.175,54.05) 47.175,53.325 48.2,52.3 53.9,52.3 57,49.2 61.6,49.2 66.3,44.5 v5(67.1,44.5) 67.1,43.3 65.2,41.4 v2@62.773,41.4 ; IC29.23@48.597,44.775 49.5,44.775 50.8,43.475 IC25.13@52.047,43.475 53.525,43.475 56.2,40.8 57.7,40.8 58.69,39.81 v2(61.215,39.81) ; v1@63.7,7.34 63.85,7.491 63.85,8.875 IC24.13@63.875,8.9 63.875,10.275 64.6,11 64.9,11 65.2,11.3 65.2,12.45 IC28.23@65.175,12.475 ; v1(65.721,20.153) v1@65.768,20.2
SLOT1.LVDS_0_N: IC4.AK28 J14.B3 | length 96.7
  TopLayer w0.095: IC4.AK28@155.2,37.5 v1(155.7,37)
  Layer 3 w0.075: v1(155.7,37) 155.7,37.355 155.656,37.399 155.437,37.399 155.293,37.255 155.293,32.466 155.293,31.868 155.452,31.709 155.711,31.709 155.988,31.431 155.988,30.946 155.711,30.668 151.987,30.668 151.827,30.509 151.827,30.19 151.987,30.031 155.015,30.031 155.293,29.753 155.293,29.573 155.293,29.397 155.575,29.114 176.934,29.114 181.514,24.535 181.514,21.728 181.51,21.723 181.51,19.501 182.195,18.815 182.636,18.375 188.275,18.375 189.54,17.11 189.54,9.787 190.1,9.227 191.727,7.6 215.239,7.6 215.487,7.6 ccw(c215.487,7.712) 215.6,7.712 215.6,7.796 cw(c215.712,7.796) 215.712,7.908 cw(c215.712,7.796) 215.825,7.796 215.825,7.712 ccw(c215.937,7.712) 215.937,7.6 216.2,7.6 216.936,7.6 217.138,7.802 217.138,8.139 216.777,8.5 J14.B3@216.539,8.5
SLOT1.LVDS_0_P: IC4.AJ28 J14.A3 | length 97.3
  TopLayer w0.095: IC4.AJ28@155.2,38.5 v1(155.7,38)
  Layer 3 w0.075: v1(155.7,38) 155.7,37.645 155.656,37.601 155.353,37.601 155.091,37.338 155.091,32.466 155.091,31.785 155.368,31.507 155.627,31.507 155.786,31.348 155.786,31.029 155.627,30.87 151.903,30.87 151.625,30.592 151.625,30.107 151.903,29.829 154.931,29.829 155.091,29.67 155.091,29.573 155.091,29.313 155.491,28.912 176.851,28.912 181.312,24.451 181.312,21.811 181.308,21.807 181.308,19.418 181.981,18.744 182.552,18.173 188.192,18.173 189.338,17.026 189.338,9.703 189.886,9.156 191.643,7.398 217.02,7.398 217.34,7.718 217.34,8.139 217.701,8.5 J14.A3@217.939,8.5
SLOT1.LVDS_1_N: IC4.AN32 J14.E3 | length 98.5
  TopLayer w0.095: IC4.AN32@159.2,34.5 v1(159.7,34)
  Layer 3 w0.075: v1(159.7,34) 159.388,34.312 159.388,34.374 159.432,34.418 161.816,34.418 162.483,33.751 162.483,33.079 162.483,32.113 162.324,31.954 156.641,31.954 156.363,31.677 156.363,31.191 156.641,30.913 162.324,30.913 162.483,30.754 162.483,30.657 162.483,30.484 162.798,30.169 163.034,29.933 176.884,29.933 182.552,24.265 182.552,23.416 184.226,21.742 187.693,21.742 188.568,20.867 190.374,19.061 190.374,9.719 190.693,9.4 190.984,9.4 191.858,9.4 192.017,9.241 192.017,8.492 192.295,8.214 192.781,8.214 193.058,8.492 193.058,9.38 193.218,9.539 193.536,9.539 193.695,9.38 193.695,8.492 193.973,8.214 194.459,8.214 194.736,8.492 194.736,9.38 194.896,9.539 195.214,9.539 195.373,9.38 195.373,8.492 195.651,8.214 196.137,8.214 196.414,8.492 196.414,9.38 196.574,9.539 196.892,9.539 197.051,9.38 197.051,8.492 197.329,8.214 197.815,8.214 198.092,8.492 198.092,9.38 198.252,9.539 198.57,9.539 198.729,9.38 198.729,8.492 199.007,8.214 199.493,8.214 199.77,8.492 199.77,9.38 199.93,9.539 200.248,9.539 200.407,9.38 200.407,8.492 200.685,8.214 201.171,8.214 201.448,8.492 201.448,9.241 201.608,9.4 201.704,9.4 212.706,9.4 212.938,9.168 212.938,8.861 212.577,8.5 J14.E3@212.339,8.5